# Altium PCB new - 副本.PcbDoc
Units mil, origin at the board's own origin, x right, y up, seen from the top; angles counter-clockwise.
Board outline 5529.7 x 2299.1 mil, 2 copper layers (Top Layer, Bottom Layer); 128 components, 106 nets, 434 pads, 26 vias.
Unrouted connection lines stored in the file: 199.
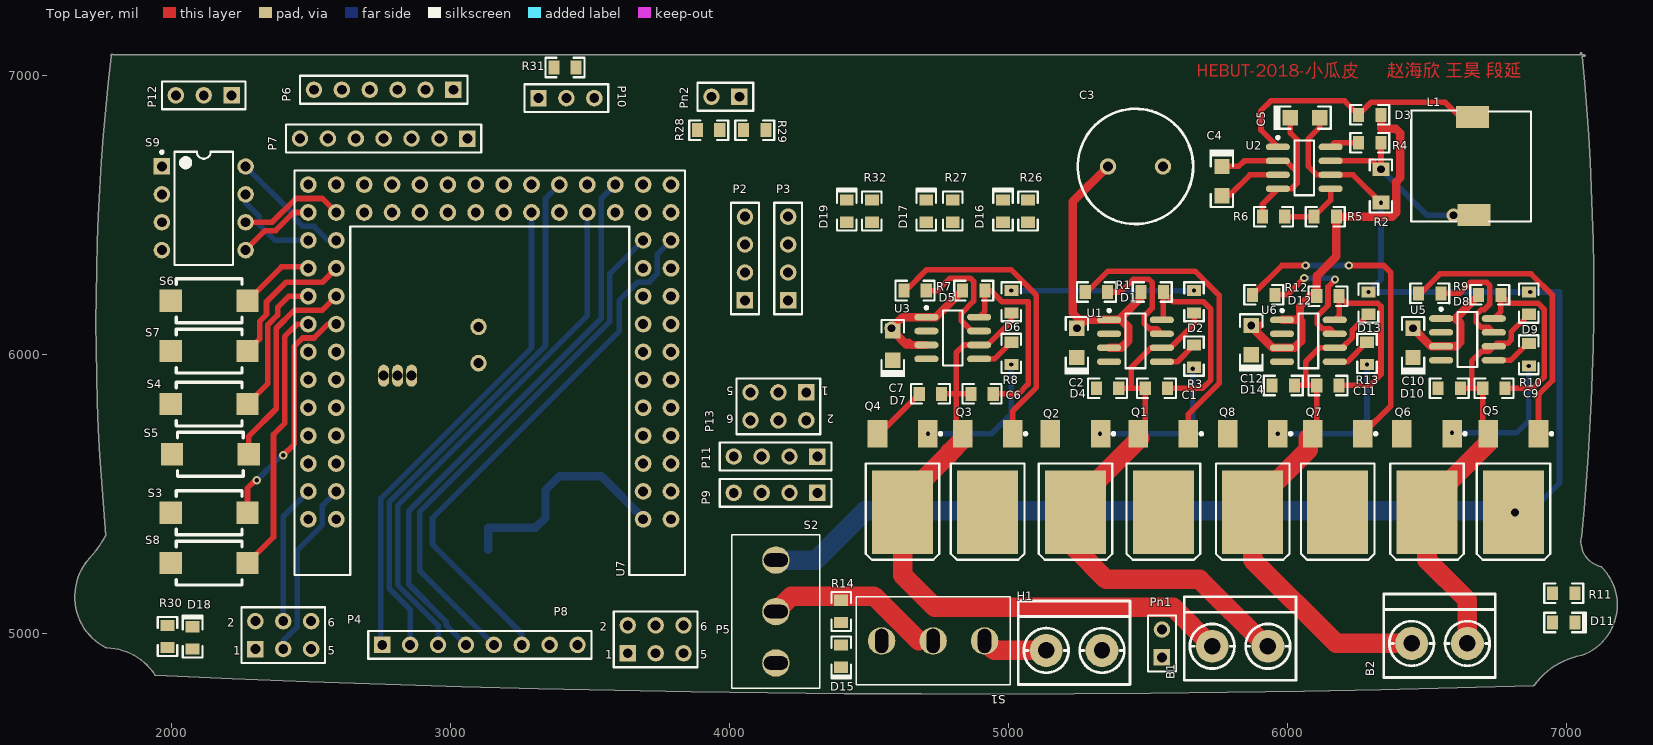
[diagram p0: Top Layer view]
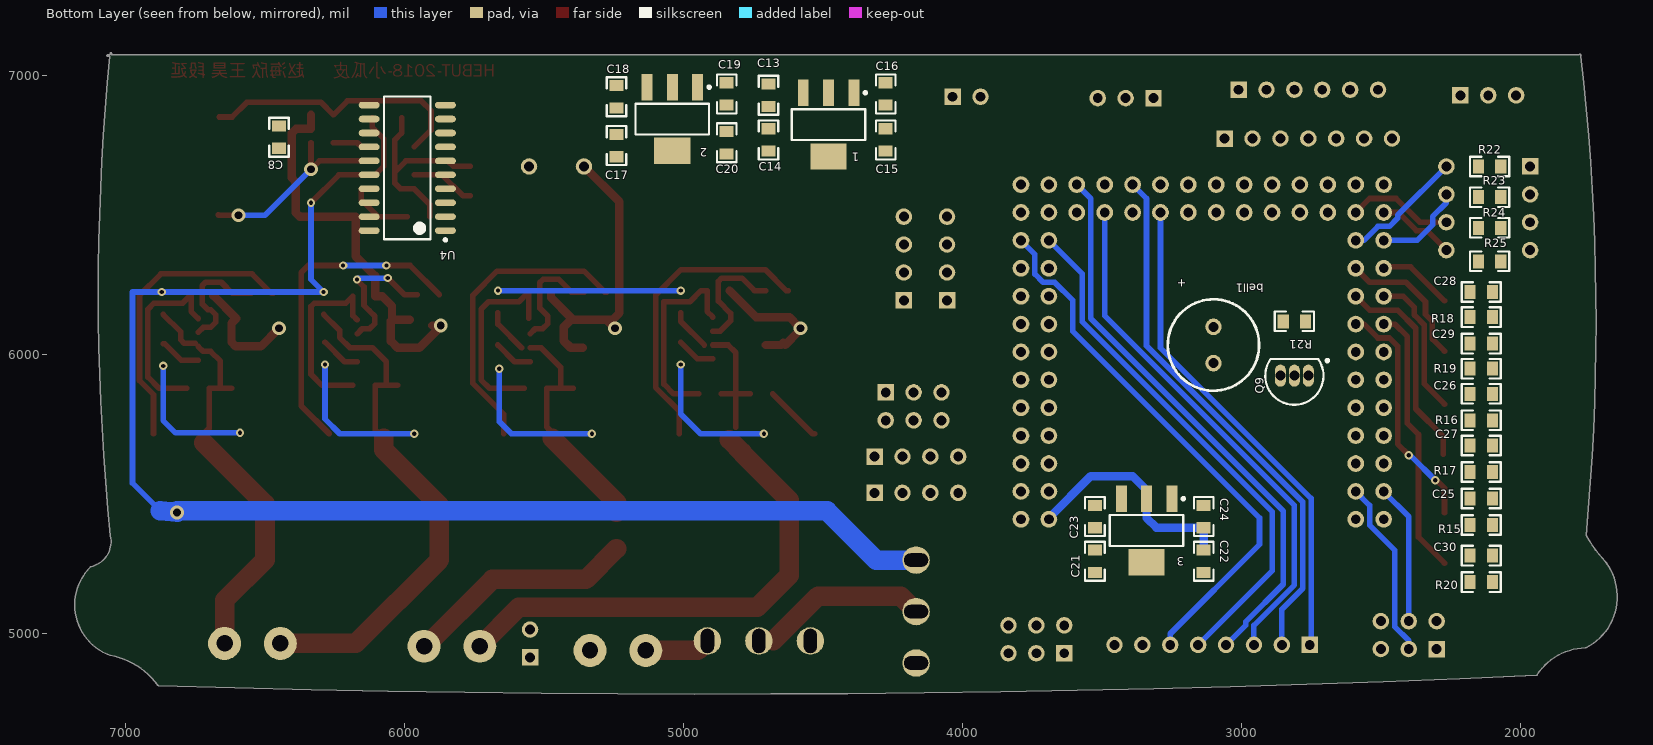
[diagram p1: Bottom Layer view, seen from below]

## Layer stack, top to bottom
Top Layer: signal copper 1.4
Dielectric: dielectric 12.6, FR-4, Dk 4.8
Bottom Layer: signal copper 1.4

## Board outline
1766.46,4948.82 cw(c1763.61,4739.71) 1766.48,4948.82 cw(c1766.49,4951.34) 1765.36,4949.09 cw(c1857.94,5132.66) 1701.98,5266.61 cw(c1703.89,5264.97) 1702.05,5266.69 ccw(c1354.87,5583.62) 1763.92,5351.97 cw(c10055.25,6117.88) 1783.27,7070.29 cw(c1785,7072.11) 1783.73,7074.28 cw(c10055.25,6117.88) 1783.83,7075.14 cw(c1786.32,7074.85) 1788.84,7074.85 cw(c1786.32,7074.85) 1788.83,7074.62 7050.6,7074.62 ccw(c-1623.14,6220.55) 7050.08,7079.96 cw(c7052.58,7080.21) 7055.08,7080.46 cw(c-1623.14,6220.55) 7055.66,7074.62 7064.01,7074.62 cw(c7064.01,7072.11) 7066.52,7072.11 cw(c7064.01,7072.11) 7064.01,7069.6 7056.15,7069.6 cw(c-1623.14,6220.55) 7097.58,6220.55 cw(c-1623.14,6220.55) 7054.14,5351.17 cw(c7051.63,5351.42) 7054.08,5350.85 ccw(c7144.82,5330.7) 7124.63,5239.97 ccw(c7144.82,5330.7) 7124.65,5239.97 7124.63,5239.97 cw(c7124.11,5237.51) 7125.89,5239.29 cw(c6989.57,5103.27) 7182.14,5103.27 cw(c6989.57,5103.27) 7055.42,4922.3 cw(c7054.56,4924.67) 7055.01,4922.19 ccw(c7103.51,4655.1) 6884.42,4815.39 ccw(c7103.51,4655.1) 6884.41,4815.37 6884.42,4815.39 cw(c6882.38,4816.86) 6882.46,4814.34 cw(c4888.74,69406.09) 1942.07,4850.8 cw(c1942.19,4853.31) 1940.05,4851.98 cw(c1763.61,4739.71) 1940.06,4851.96 1940.05,4851.98 ccw(c1763.61,4739.71)

## Design rules (kind name [scope] priority, off if disabled: settings)
Clearance [All] p1: gap=10
PolygonConnect [All] p1: connectstyle=Relief reliefconductorwidth=10 reliefentries=4 polygonreliefangle="90 Angle" airgapwidth=10
RoutingVias [All] p1: holewidth=15 width=30 viastyle="Through Hole" minholewidth=15 minwidth=30 maxholewidth=15 maxwidth=30
SolderMaskExpansion [All] p1: expansion=4
Width [All] p1: maxlimit=20 minlimit=20 preferedwidth=20
28 further rules are at their usual default settings.

## Classes and differential pairs
component class "mos motor": B1 B2 C1 C2 C3 C4 C5 C6 C7 C8 C9 C10 C11 C12 D1 D2 D3 D4 D5 D6 D7 D8 D9 D10 D11 D12 D13 D14 L1 Q1 Q2 Q3 Q4 Q5 Q6 Q7 Q8 R1 R2 R3 R4 R5 R6 R7 R8 R9 R10 R11 R12 R13 U1 U2 U3 U4 U5 U6
component class 新主控板: 1 2 3 bell1 C13 C14 C15 C16 C17 C18 C19 C20 C21 C22 C23 C24 C25 C26 C27 C28 C29 C30 D15 D16 D17 D18 D19 H1 P2 P3 P4 P5 P6 P7 P8 P9 P10 P11 P12 P13 Pn1 Pn2 Q9 R14 R15 R16 R17 R18 R19 R20 R21 R22 R23 R24 R25 R26 R27 R28 R29 R30 R31 R32 S1 S2 S3 S4 S5 S6 S7 S8 S9 U7

## Components (designator, comment, footprint, x,y, rotation, side; value= is the part's Value field where it differs from the comment)
1 "LT1117-3.3" 1117 4480,6825 r270 bottom
2 "LT1117-5.0" 1117 5040,6845 r270 bottom
3 "LT1117-5" 1117 3340,5370 r270 bottom
B1 "Motor" KF301-2P 5830,4955 r90 top
B2 "Motor" KF301-2P 6545,4965 r90 top
bell1 "Bell" 470uF 3100,6140 r270 bottom
C1 "Cap" 0805(2012) 5530,5880 r180 top
C2 "Cap Pol1" SOD-323(0805) 5245,6040 r270 top
C3 "Cap Pol1" RB5-10.5 5455,6675 r0 top
C4 "Cap Pol1" SOD-323(0805) 5765,6625 r90 top
C5 "Cap Pol1" SOD-323(0805) 6060,6850 r180 top
C6 "Cap" 0805(2012) 4905,5860 r180 top
C7 "Cap Pol1" SOD-323(0805) 4585,6030 r270 top
C8 "Cap" 0805(2012) 6450,6780 r270 bottom
C9 "Cap" 0805(2012) 6740,5880 r180 top
C10 "Cap Pol1" SOD-323(0805) 6450,6040 r270 top
C11 "Cap" 0805(2012) 6145,5890 r180 top
C12 "Cap Pol1" SOD-323(0805) 5870,6050 r270 top
C13 "Cap Pol1" 0805(2012) 4695,6930 r270 bottom
C14 "Cap Pol1" 0805(2012) 4695,6770 r90 bottom
C15 "Cap" 0805(2012) 4275,6770 r270 bottom
C16 "Cap" 0805(2012) 4275,6935 r90 bottom
C17 "Cap" 0805(2012) 5240,6750 r90 bottom
C18 "Cap" 0805(2012) 5240,6925 r270 bottom
C19 "Cap" 0805(2012) 4845,6935 r270 bottom
C20 "Cap" 0805(2012) 4845,6760 r90 bottom
C21 "Cap Pol1" 0805(2012) 3525,5260 r270 bottom
C22 "Cap Pol1" 0805(2012) 3135,5260 r270 bottom
C23 "Cap" 0805(2012) 3525,5420 r270 bottom
C24 "Cap" 0805(2012) 3135,5420 r270 bottom
C25 "Cap" 0805(2012) 2140,5485 r0 bottom
C26 "Cap" 0805(2012) 2140,5860 r0 bottom
C27 "Cap" 0805(2012) 2140,5675 r0 bottom
C28 "Cap" 0805(2012) 2140,6225 r0 bottom
C29 "Cap" 0805(2012) 2140,6040 r0 bottom
C30 "Cap" 0805(2012) 2140,5280 r0 bottom
D1 "1N5819" 0805(2012) 5515,6225 r180 top
D2 "1N5819" 0805(2012) 5665,6190 r270 top
D3 "1N5819" 0805(2012) 6295,6860 r180 top
D4 "1N5819" 0805(2012) 5355,5880 r180 top
D5 "1N5819" 0805(2012) 4875,6230 r180 top
D6 "1N5819" 0805(2012) 5010,6190 r270 top
D7 "1N5819" 0805(2012) 4720,5860 r180 top
D8 "1N5819" 0805(2012) 6725,6215 r180 top
D9 "1N5819" 0805(2012) 6865,6185 r270 top
D10 "1N5819" 0805(2012) 6580,5880 r180 top
D11 "RED" 0805LED 6990,5040 r0 top
D12 "1N5819" 0805(2012) 6145,6210 r180 top
D13 "1N5819" 0805(2012) 6290,6185 r270 top
D14 "1N5819" 0805(2012) 5985,5890 r180 top
D15 "RED" 0805LED 4400,4920 r270 top
D16 "LED0" 0805LED 4980,6515 r90 top
D17 "LED0" 0805LED 4705,6515 r90 top
D18 "LED0" 0805LED 2075,4985 r90 top
D19 "LED0" 0805LED 4420,6515 r90 top
H1 "H1" KF301-2P 5235,4940 r90 top
L1 "Inductor" 电感10*12 6660,6675 r90 top
P2 "blueteeth" HDR1X4 4055,6195 r90 top
P3 "blueteeth" HDR1X4 4210,6195 r90 top
P4 "encode_2" HDR2X3 2300,4945 r0 top
P5 "encode_1" HDR2X3 3635,4930 r0 top
P6 "Header 6" HDR1X6 3010,6950 r180 top
P7 "遥控" HDR1X7 3060,6775 r180 top
P8 "Header 8" HDR1X8 2755,4960 r0 top
P9 "Header 4" HDR1X4 4315,5505 r180 top
P10 "Header 3" HDR1X3 3315,6920 r0 top
P11 "Header 4" HDR1X4 4315,5635 r180 top
P12 "Header 3" HDR1X3 2215,6930 r180 top
P13 "Header 3X2" HDR2X3 4275,5865 r180 top
Pn1 "Header 2" HDR1X2 5550,4915 r90 top
Pn2 "Header 2" HDR1X2 4035,6925 r180 top
Q1 "IR7843" LR7843 5555,5575 r90 top
Q2 "IR7843" LR7843 5240,5575 r90 top
Q3 "IR7843" LR7843 4925,5575 r90 top
Q4 "IR7843" LR7843 4620,5575 r90 top
Q5 "IR7843" LR7843 6810,5575 r90 top
Q6 "IR7843" LR7843 6500,5575 r90 top
Q7 "IR7843" LR7843 6180,5575 r90 top
Q8 "IR7843" LR7843 5875,5575 r90 top
Q9 "NPN9013" TO-226-AE 2810,5925 r90 bottom
R1 "Res2" 0805(2012) 5315,6225 r180 top
R2 "Res2" 1206(3216) 6335,6605 r270 top
R3 "Res2" 0805(2012) 5665,5995 r270 top
R4 "Res2" 0805(2012) 6295,6760 r0 top
R5 "Res2" 0805(2012) 6135,6495 r180 top
R6 "Res2" 0805(2012) 5950,6495 r0 top
R7 "Res2" 0805(2012) 4665,6230 r180 top
R8 "Res2" 0805(2012) 5010,6005 r270 top
R9 "Res2" 0805(2012) 6510,6220 r180 top
R10 "Res2" 0805(2012) 6865,6000 r270 top
R11 "Res2" 0805(2012) 6990,5145 r180 top
R12 "Res2" 0805(2012) 5915,6215 r180 top
R13 "Res2" 0805(2012) 6285,6005 r270 top
R14 "Res2" 0805(2012) 4400,5080 r90 top
R15 "Res2" 0805(2012) 2140,5390 r180 bottom
R16 "Res2" 0805(2012) 2140,5765 r180 bottom
R17 "Res2" 0805(2012) 2140,5580 r180 bottom
R18 "Res2" 0805(2012) 2140,6135 r180 bottom
R19 "Res2" 0805(2012) 2140,5950 r180 bottom
R20 "Res2" 0805(2012) 2140,5185 r180 bottom
R21 "Res2" 0805(2012) 2810,6120 r0 bottom
R22 "Res2" 0805(2012) 2110,6675 r180 bottom
R23 "Res2" 0805(2012) 2110,6565 r180 bottom
R24 "Res2" 0805(2012) 2110,6455 r180 bottom
R25 "Res2" 0805(2012) 2110,6335 r180 bottom
R26 "Res2" 0805(2012) 5070,6515 r90 top
R27 "Res2" 0805(2012) 4800,6515 r90 top
R28 "Res2" 0805(2012) 3925,6805 r0 top
R29 "Res2" 0805(2012) 4090,6805 r0 top
R30 "Res2" 0805(2012) 1985,4990 r90 top
R31 "Res2" 0805(2012) 3410,7030 r0 top
R32 "Res2" 0805(2012) 4510,6515 r90 top
S1 "SW-SPST" SWICH_3 4730,4975 r90 top
S2 "SW-SPST" SWICH_3 4165,5080 r180 top
S3 "SW-PB" PCBComponent_1 2130,5445 r180 top
S4 "SW-PB" PCBComponent_1 2130,5835 r180 top
S5 "SW-PB" PCBComponent_1 2135,5655 r180 top
S6 "SW-PB" PCBComponent_1 2130,6205 r180 top
S7 "SW-PB" PCBComponent_1 2130,6025 r180 top
S8 "SW-PB" PCBComponent_1 2130,5265 r180 top
S9 "SW-DIP4" DIP-8 2115,6525 r0 top
U1 "IR2104  S" IR2104S 5455,6050 r0 top
U2 "MC34063" MC34063 6060,6670 r0 top
U3 "IR2104  S" IR2104S 4800,6060 r0 top
U4 "74ls244" 74ls244Da 5990,6670 r0 bottom
U5 "IR2104  S" IR2104S 6645,6055 r0 top
U6 "IR2104  S" IR2104S 6075,6050 r0 top
U7 "KEA128" KEA128_BOARD 3140,6010 r180 top

## Footprints (in the part's own frame and the unit in brackets; to place one, negate y for a bottom-side part, rotate by r counter-clockwise, add the part's x,y. Pads: shape width x height; smd on the part's side, far side on the other; paste and mask are expansions set on the pad)
74ls244Da [mm] "SOP, 20-Leads, Body 12.80x5.50mm, Pitch 1.27mm, IPC Medium Density"
  oval 1.9x0.6 smd: 1(-3.475,5.715) 2(-3.475,4.445) 3(-3.475,3.175) 4(-3.475,1.905) 5(-3.475,0.635) 6(-3.475,-0.635) 7(-3.475,-1.905) 8(-3.475,-3.175) 9(-3.475,-4.445) 10(-3.475,-5.715) 11(3.475,-5.715) 12(3.475,-4.445) 13(3.475,-3.175) 14(3.475,-1.905) 15(3.475,-0.635) 16(3.475,0.635) 17(3.475,1.905) 18(3.475,3.175) 19(3.475,4.445) 20(3.475,5.715)
  silkscreen extent -3.6,-6.5 2.13,6.69, body extent -2.8,-6.5 2.8,6.5, height 2.2
470uF [mm]
  round 1.5 hole 0.9: 1(1.016,0) 2(4.318,0)
  silkscreen extent -1.49,-4.16 6.83,4.16
0805(2012) [mil]
  rect 40x50 smd: 1(-40,0) 2(40,0)
  silkscreen extent -70,-35 70,35
0805LED [mil]
  rect 40x50 smd: 1(-40,0) 2(40,0)
  silkscreen extent -70,-35 80,35
1117 [mm] "SOT223, 4-Leads, Body 6.50x7.00mm (avg), Pitch 2.30mm, IPC Medium Density"
  rect 2.4x1 smd: 1(-2.9,2.3) 2(-2.9,0) 3(-2.9,-2.3)
  rect 2.4x3.3 smd: 4(2.9,0)
  silkscreen extent -3.02,-3.35 1.4,3.47, body extent -1.86,-3.35 1.86,3.35, height 1.8
1206(3216) [mil]
  rect 50x60 smd: 1(-60,0) 2(60,0)
  silkscreen extent -95,-40 95,40
DIP-8 [mm] "DIP; 8 Leads; Row Spacing 7.62 mm; Pitch 2.54 mm"
  rect 1.5x1.5 hole 0.9: 1(-3.81,3.81)
  round 1.5 hole 0.9: 2(-3.81,1.27) 3(-3.81,-1.27) 4(-3.81,-3.81) 5(3.81,-3.81) 6(3.81,-1.27) 7(3.81,1.27) 8(3.81,3.81)
  silkscreen extent -3.93,-5.15 2.65,5.23, body extent -3.6,-5.15 3.6,5.15, height 5.08
HDR1X2 [mm] "Connector; Header; 2 Position"
  rect 1.5x1.5 hole 0.9: 1(0,0)
  round 1.5 hole 0.9: 2(2.54,0)
  silkscreen extent -1.27,-1.27 3.81,1.27
HDR1X3 [mm] "Connector; Header; 3 Position"
  rect 1.5x1.5 hole 0.9: 1(0,0)
  round 1.5 hole 0.9: 2(2.54,0) 3(5.08,0)
  silkscreen extent -1.27,-1.27 6.35,1.27
HDR1X4 [mm] "Connector; Header; 4 Position"
  rect 1.5x1.5 hole 0.9: 1(0,0)
  round 1.5 hole 0.9: 2(2.54,0) 3(5.08,0) 4(7.62,0)
  silkscreen extent -1.27,-1.27 8.89,1.27
HDR1X6 [mm] "Connector; Header; 6 Position"
  rect 1.5x1.5 hole 0.9: 1(0,0)
  round 1.5 hole 0.9: 2(2.54,0) 3(5.08,0) 4(7.62,0) 5(10.16,0) 6(12.7,0)
  silkscreen extent -1.27,-1.27 13.97,1.27
HDR1X7 [mm] "Connector; Header; 7 Position"
  rect 1.5x1.5 hole 0.9: 1(0,0)
  round 1.5 hole 0.9: 2(2.54,0) 3(5.08,0) 4(7.62,0) 5(10.16,0) 6(12.7,0) 7(15.24,0)
  silkscreen extent -1.27,-1.27 16.51,1.27
HDR1X8 [mm] "Connector; Header; 8 Position"
  rect 1.5x1.5 hole 0.9: 1(0,0)
  round 1.5 hole 0.9: 2(2.54,0) 3(5.08,0) 4(7.62,0) 5(10.16,0) 6(12.7,0) 7(15.24,0) 8(17.78,0)
  silkscreen extent -1.27,-1.27 19.05,1.27
HDR2X3 [mm] "Connector; Header; 3x2 Position"
  rect 1.5x1.5 hole 0.9: 1(0,0)
  round 1.5 hole 0.9: 2(0,2.54) 3(2.54,0) 4(2.54,2.54) 5(5.08,0) 6(5.08,2.54)
  silkscreen extent -1.27,-1.27 6.35,3.81
IR2104S [mm] "SOIC, 8-Leads, Body 4.90x3.90mm, Pitch 1.27mm, IPC Medium Density"
  oval 2.2x0.6 smd: 1(-2.4,1.905) 2(-2.4,0.635) 3(-2.4,-0.635) 4(-2.4,-1.905) 5(2.4,-1.905) 6(2.4,-0.635) 7(2.4,0.635) 8(2.4,1.905)
  silkscreen extent -2.52,-2.5 0.9,2.88, body extent -2,-2.5 2,2.5, height 1.75
KEA128_BOARD [mil]
  round 60 hole 35: 1(-650,600) 2(-550,600) 3(-650,500) 4(-550,500) 5(-650,400) 6(-550,400) 7(-650,300) 8(-550,300) 9(-650,200) 10(-550,200) 11(-650,100) 12(-550,100) 13(-650,0) 14(-550,0) 15(-650,-100) 16(-550,-100) 17(-650,-200) 18(-550,-200) 19(-650,-300) 20(-550,-300) 21(-650,-400) 22(-550,-400) 23(-650,-500) 24(-550,-500) 25(-650,-600) 26(-550,-600) 27(-450,-500) 28(-450,-600) 29(-350,-500) 30(-350,-600) 31(-250,-500) 32(-250,-600) 33(-150,-500) 34(-150,-600) 35(-50,-500) 36(-50,-600) 37(50,-500) 38(50,-600) 39(150,-500) 40(150,-600) 41(250,-500) 42(250,-600) 43(350,-500) 44(350,-600) 45(450,-500) 46(450,-600) 47(550,-500) 48(550,-600) 49(650,-500) 50(650,-600) 51(550,-400) 52(650,-400) 53(550,-300) 54(650,-300) 55(550,-200) 56(650,-200) 57(550,-100) 58(650,-100) 59(550,0) 60(650,0) 61(550,100) 62(650,100) 63(550,200) 64(650,200) 65(550,300) 66(650,300) 67(550,400) 68(650,400) 69(550,500) 70(650,500) 71(550,600) 72(650,600)
  silkscreen extent -700,-650 700,800
KF301-2P [mm]
  round 3 hole 1.5: 1(0,-2.54) 2(0,2.54)
  silkscreen extent -3.1,-5.08 4.5,5.08
LR7843 [mm]
  rect 2.54x1.778 smd: 1(3.6,-2.28) 3(3.6,2.28)
  rect 7.6x5.55 smd: 2(-3.556,0)
  silkscreen extent -7.87,-3.58 3.72,3.35
MC34063 [mm] "SOIC, 8-Leads, Body 4.90x3.90mm, Pitch 1.27mm, IPC Medium Density"
  oval 2.2x0.6 smd: 1(-2.4,1.905) 2(-2.4,0.635) 3(-2.4,-0.635) 4(-2.4,-1.905) 5(2.4,-1.905) 6(2.4,-0.635) 7(2.4,0.635) 8(2.4,1.905)
  silkscreen extent -2.52,-2.5 0.9,2.88, body extent -2,-2.5 2,2.5, height 1.75
PCBComponent_1 [mil]
  rect 80x80 smd: 1(133.86,11.81) 2(-141.73,11.81)
  silkscreen extent -122,-67 114,91
RB5-10.5 [mm] "Capacitor (Radial); 2 Leads"
  round 1.5 hole 0.9: 1(-2.5,0) 2(2.5,0)
  silkscreen extent -5.25,-5.25 5.25,5.25
SOD-323(0805) [mil]
  rect 55x55 smd: 1(-55,0) 2(50,0)
  silkscreen extent -95,-44 110,44
SWICH_3 [mm]
  round 2.5 hole 1.2 slot 2.2 at 0 deg: 1(-0.025,-4.674) 2(-0.025,0.013) 3(-0.025,4.699)
  silkscreen extent -4,-7 4,7
TO-226-AE [mm] "TO, Flat Index; 3 In-Line, Axial Leads; Body Dia. 4.8mm; Leads 0.55 x 0.51 mm (max)"
  oval 2x1 hole 0.9: 1(0,-1.27) 2(0,0) 3(0,1.27)
  silkscreen extent -2.65,-3.13 1.52,2.65, body extent -2.66,-2.66 1.52,2.66, height 7.87
电感10*12 [mm]
  rect 2x3 smd: 1(-4.4,-0.2) 2(4.5,-0.1)
  silkscreen extent -5,-5.4 5.1,5.5

## Part data
2 3: library part LT1117-3.3
B1 B2: library part "Motor Servo", "Servo Motor"
bell1: "Electrical Bell"
C1 C6 C8 C9 C11 C15 C16 C17 C18 C19 C20 C23 C24 C25 C26 C27 C28 C29 C30: "Capacitor"
C2 C3 C4 C5 C7 C10 C12 C13 C14 C21 C22: "Polarized Capacitor (Radial)"
D1 D2 D3 D4 D5 D6 D7 D8 D9 D10 D12 D13 D14: library part 1N4148, "Silicon Epitaxial Planar Diode for Various Detector, Modulator, Demodulator"
D11 D15: library part LED2, "Typical RED, GREEN, YELLOW, AMBER GaAs LED"
D16 D17 D18 D19: "Typical INFRARED GaAs LED"
P4 P5: library part encode
P6: "Header, 6-Pin"
P7: library part MHDR1X7, "Header, 7-Pin"
P8: "Header, 8-Pin"
P9 P11: "Header, 4-Pin"
P10 P12: "Header, 3-Pin"
P13: "Header, 3-Pin, Dual row"
Pn1 Pn2: "Header, 2-Pin"
Q1 Q2 Q3 Q4 Q5 Q6 Q7 Q8: "N-Channel Power MOSFET"
Q9: library part 2N3904, "NPN General Purpose Amplifier"
R1 R2 R3 R4 R5 R6 R7 R8 R9 R10 R11 R12 R13 R14 R15 R16 R17 R18 R19 R20 R21 R22 R23 R24 R25 R26 R27 R28 R29 R30 R31 R32: "Resistor"
S1 S2: "Single-Pole, Single-Throw Switch"
S3 S4 S5 S6 S7 S8: "Switch"
S9: "DIP Switch"
U2: library part Component_1

## Via types
v1: diameter 30, hole 15, Top Layer to Bottom Layer, 19 vias
v2: diameter 50, hole 28, Top Layer to Bottom Layer, 7 vias

## Nets (pads, with @x,y where several pads share a name; then routed paths per layer and width w, separated by ;. In a path a pad name is that pad's centre, name@x,y a point inside that pad or via, vN(x,y) a via of type N, cw(c..) or ccw(c..) an arc to the next point about the centre after c; other vN are vias at no path point)
3V3: 1.2 bell1.1 C14.1 C16.2 P6.2 P7.2 P10.1 P13.1 P13.2 R15.2 R16.2 R17.2 R18.2 R19.2 R20.2 R22.2 R23.2 R24.2 R25.2 R26.2 R27.2 R30.2 R31.1 R32.2
5V: 2.2 C8.2 C19.2 C20.2 P2.1 P3.1 P4.2 P5.2 P8.8 P9.1 P11.1 P13.3 P13.4 U4.20
5VIC: 3.2 C22.1 C24.2 R28.1 U7.2 | length 832.3
  Bottom Layer w30: C22.1 C24.2 3305,5380 3340,5415 3.2 3340,5515 3390,5565 3540,5565 U7.2@3690,5415
12V: C2.1 C3.1 C7.1 C10.1 C12.1 D1.2 D3.1 D5.2 D8.2 D12.2 R5.1 U1.1 U1.3 U3.1 U3.3 U5.1 U5.3 U6.1 U6.3 | length 3439.1
  Top Layer w30: C7.1 4635,6035 4642.5,6042.5 4650,6035 U3.3 ; C7.1@4585,6100 4620,6135 U3.1 4740,6135 D5.2 ; v2(5245,6095) 5275,6125 ; C3.1 5230,6548.43 5230,6150 5255,6125 5275,6125 ; U1.3 5404,6025 5429,6050 5429,6100 5404,6125 ; D1.2 5475,6205 5404,6134 5404,6125 ; C12.1@5870,6101.96 5946.96,6025 U6.3 6025,6025 6048.82,6048.82 6048.82,6121.18 6045,6125 ; v2(5870,6105) 5900,6105 ; U6.1 6045,6125 ; D3.1 6335,6810 6389,6810 6404,6795 6404,6634 6390,6620 6390,6509.64 6375.36,6495 R5.1 6175,6353 6105,6283 D12.2 6080,6210 6045,6175 6045,6125 ; v2(6450,6095) 6515,6030 U5.3 6605,6030 6620,6045 6620,6113 6603,6130 6685,6212 D8.2 ; 5275,6125 U1.1 5404,6125
  Bottom Layer w30: v2(4580,6095) v2@4585,6090
GND: 1.1 2.1 3.1 C2.2 C3.2 C4.2 C5.2 C7.2 C8.1 C10.2 C12.2 C13.2 C14.2 C15.1 C16.1 C17.1 C18.1 C19.1 C20.1 C21.2 C22.2 C23.1 C24.1 C25.1 C26.1 C27.1 C28.1 C29.1 C30.1 D4.2 D7.2 D10.2 D11.2 D14.2 D15.2 H1.1 P2.2 P3.2 P4.1 P5.1 P6.1 P7.1 P8.7 P9.2 P10.2 P11.2 P12.3 P13.5 P13.6 Pn1.2 Q2.3 Q4.3 Q6.3 Q8.3 Q9.1 R6.1 R29.2 S3.1 S4.1 S5.1 S6.1 S7.1 S8.1 S9.1 S9.2 S9.3 S9.4 U1.4 U2.2 U2.4 U3.4 U4.1 U4.3 U4.5 U4.7 U4.9 U4.10 U4.11 U4.13 U4.15 U4.17 U4.19 U5.4 U6.4 U7.1 U7.72 | length 950.1
  Top Layer w20: Q4.3 4536.73,5716.73 D7.2 ; C4.2 5825,6675 5845,6695 U2.2 5995,6695 6035,6655 ; R6.1 5910,6539.49 U2.4 6015,6595 6035,6615 6035,6655 ; C5.2 6010,6795 6035,6770 6035,6655
"MOTOR1 IN1": U4.18 U5.2
"MOTOR1 IN2": U4.16 U6.2
"MOTOR1 IN3": U3.2 U4.14
"MOTOR1 IN4": U1.2 U4.12
NetB1_1: B1.1 C1.2 D2.2 D4.1 Q1.3 Q2.2 U1.6 | length 1839.5
  Top Layer w20: D4.1 5435,5880 ; Q1.3 5490,5741.5 C1.2 5435,5880 ; U1.6 5510,6025 5440,5955 5440,5885 5435,5880 ; U1.6@5580,6025 5665,6110 D2.2
  Top Layer w70: Q2.2@5240,5305 5350,5195 5685,5195 5925,4955 B1.1 ; Q2.2 5240,5470 Q1.3@5470,5700
NetB1_2: B1.2 C6.2 D6.2 D7.1 Q3.3 Q4.2 U3.6 | length 2406.6
  Top Layer w20: D7.1 4812.5,5860 ; Q3.3@4812.5,5739.47 4812.5,5860 ; C6.2 4812.5,5860 ; U3.6 4840,6035 4812.5,6007.5 4812.5,5860 ; U3.6@4925,6035 5010,6120 D6.2
  Top Layer w70: Q3.3@4835.24,5695.24 4789.76,5649.76 4789.76,5648.09 4620,5478.33 Q4.2 4620,5210 4735,5095 5590,5095 B1.2
NetB2_1: B2.1 C9.2 D9.2 D10.1 Q5.3 Q6.2 U5.6 | length 1495.7
  Top Layer w20: D10.1 6660,5880 ; Q5.3 6700,5736.97 C9.2 6660,5880 ; U5.6 6721.3,6011.81 6694.82,6011.81 6660,5977 6660,5880 ; U5.6@6750.72,6041.23 6790,6041.23 6802.8,6054.03 6802.8,6082.8 D9.2
  Top Layer w70: B2.1 6645,5120 6500,5265 Q6.2 6500,5465 Q5.3@6720.24,5685.24
NetB2_2: B2.2 C11.2 D13.2 D14.1 Q7.3 Q8.2 U6.6 | length 1868.6
  Top Layer w20: D14.1 6065,5890 ; Q7.3 6105,5731.5 C11.2 6065,5890 ; D13.2 6232.8,6087.8 6232.8,6061.82 6195.97,6025 U6.6 6115,6025 6065,5975 6065,5890
  Top Layer w70: Q7.3@6075,5701.5 6075,5660 5875,5460 Q8.2 5875,5265 6175,4965 B2.2
Netbell1_2: bell1.2 Q9.3
NetC1_1: C1.1 D1.1 U1.8 | length 710.8
  Top Layer w20: U1.8@5555,6130.51 D1.1 5590,6190 5698.28,6190 5725,6163.28 5725,5910 5695,5880 C1.1
NetC4_1: C4.1 U2.3 | length 231.6
  Top Layer w20: C4.1 5790,6570 5865,6645 U2.3
NetC6_1: C6.1 D5.1 U3.8 | length 709.6
  Top Layer w20: U3.8 4915,6155.51 D5.1 4936.72,6230 4976.72,6190 5070,6190 5070,5895 5035,5860 C6.1
NetC9_1: C9.1 D8.1 U5.8 | length 671.8
  Top Layer w20: U5.8 6765,6155.51 D8.1 6795,6185 6898.28,6185 6920,6163.28 6920,5920 6880,5880 C9.1
NetC11_1: C11.1 D12.1 U6.8 | length 666.5
  Top Layer w20: U6.8 6185,6140.51 D12.1 6210,6185 6323.28,6185 6335,6173.28 6335,5930 6295,5890 C11.1
NetD3_2: D3.2 L1.2 U2.1 | length 989.7
  Top Layer w20: U2.1 5905,6805.51 5905,6875 5940,6910 6205,6910 D3.2 6300,6905 6565,6905 6617.83,6852.17 L1.2
NetD11_1: D11.1 R11.2
NetD15_1: D15.1 R14.1
NetD16_1: D16.1 R26.1
NetD17_1: D17.1 R27.1
NetD18_1: D18.1 R30.1
NetD19_1: D19.1 R32.1
NetH1_2: H1.2 S1.1 | length 235.1
  Top Layer w70: S1.1 4948,4940 H1.2
NetL1_1: L1.1 R2.1 R4.2 U2.7 | length 689.9
  Top Layer w20: U2.7 6305,6695 v2(6335,6665) R4.2 ; v2(6595,6500) 6666.1,6500 L1.1
  Bottom Layer w20: v2(6335,6665) 6500,6500 v2(6595,6500)
NetQ1_1: Q1.1 R1.2 | length 1089.2
  Top Layer w20: R1.2 5281.72,6225 5356.72,6300 5668.28,6300 5755,6213.28 5755,5897.57 5644.76,5787.34 Q1.1
NetQ2_1: Q2.1 R3.2 | length 541.2
  Top Layer w20: v1(5328.27,5716.73) Q2.1
  Bottom Layer w20: v1(5328.27,5716.73) 5616.73,5716.73 5660,5760 v1(5660,5950)
NetQ3_1: Q3.1 R7.2 | length 1075.9
  Top Layer w20: R7.2 4631.72,6230 4706.72,6305 5008.28,6305 5100,6213.28 5100,5882.57 5014.76,5797.34 Q3.1
NetQ4_1: Q4.1 R8.2 | length 506.5
  Top Layer w20: Q4.1 v1(4711.73,5716.73)
  Bottom Layer w20: v1(4711.73,5716.73) 4938.27,5716.73 5010,5788.46 v1(5010,5965)
NetQ5_1: Q5.1 R9.2 | length 1058.1
  Top Layer w20: R9.2 6476.72,6220 6546.72,6290 6873.28,6290 6950,6213.28 6950,5907.57 6899.76,5857.34 Q5.1
NetQ6_1: Q6.1 R10.2 | length 492.3
  Top Layer w20: Q6.1 v1(6589.76,5720.24)
  Bottom Layer w20: v1(6589.76,5720.24) 6820.24,5720.24 6865,5765 v1(6865,5960)
NetQ7_1: Q7.1 R12.2 | length 1168.6
  Top Layer w20: R12.2 5980,6320 v1(6065,6320) ; v1(6220,6320) 6345,6320 6370,6295 6370,5816.97 Q7.1
  Bottom Layer w20: v1(6065,6320) v1(6220,6320)
NetQ8_1: Q8.1 R13.2 | length 537.3
  Top Layer w20: Q8.1 v1(5965,5716.97)
  Bottom Layer w20: v1(5965,5716.97) 6231.97,5716.97 6285,5770 v1(6285,5965)
NetQ9_2: Q9.2 R21.2
NetR1_1: R1.1 U1.7 | length 420.5
  Top Layer w20: R1.1 5401.72,6225 5446.72,6270 5503.28,6270 5515,6258.28 5515,6167 5486.18,6138.18 5486.18,6111.82 5504.82,6093.19 5531.3,6093.19 U1.7
NetR3_1: R3.1 U1.5 | length 140.4
  Top Layer w20: U1.5 5605,5975 R3.1
NetR4_1: R4.1 U2.8 | length 106.7
  Top Layer w20: U2.8 6169.49,6760 R4.1
NetR5_2: R5.2 R6.2 U2.5 | length 229.6
  Top Layer w20: R6.2 R5.2 6154.49,6554.49 U2.5
NetR7_1: R7.1 U3.7 | length 431.7
  Top Layer w20: R7.1 4745.25,6230 4790.25,6275 4863.28,6275 4875,6263.28 4875,6192 4831.18,6148.18 4831.18,6121.82 4868,6085 U3.7
NetR8_1: R8.1 U3.5 | length 140.4
  Top Layer w20: U3.5 4950,5985 R8.1
NetR9_1: R9.1 U5.7 | length 432.7
  Top Layer w20: R9.1 6616.72,6220 6656.72,6260 6713.28,6260 6725,6248.28 6725,6181.72 6705.1,6161.81 6694.82,6161.81 6676.18,6143.18 6676.18,6116.82 6694.82,6098.19 6721.3,6098.19 U5.7
NetR10_1: R10.1 U5.5 | length 150.4
  Top Layer w20: U5.5 6800,5980 6860,6040 R10.1
NetR12_1: R12.1 U6.7 | length 505.3
  Top Layer w20: R12.1 6000,6215 v1(6060,6275) ; U6.7 6151.3,6093.19 6124.82,6093.19 6106.18,6111.82 6106.18,6138.18 6124.82,6156.81 6125.1,6156.81 6145,6176.72 6145,6243.28 6170,6268.28 v1(6170,6270)
  Bottom Layer w20: v1(6060,6275) 6165,6275 v1(6170,6270)
NetR13_1: R13.1 U6.5 | length 144.5
  Top Layer w20: U6.5 6215,5975 R13.1
PTA0: C25.2 R15.1 S3.2 U7.57 | length 855.9
  Top Layer w20: S3.2 2271.73,5521.73 2300,5550 v1(2305,5550) ; v1(2400,5640) 2440,5680 2440,6030.71 2469.29,6060 2510.71,6060 2560.71,6110 U7.57
  Bottom Layer w20: v1(2305,5550) 2390,5635 2395,5635 v1(2400,5640)
PTA1: C26.2 R16.1 S4.2 U7.56 | length 518.2
  Top Layer w20: S4.2 2345,5896.46 2345,6107.43 2380,6142.43 2380,6170 2420,6210 U7.56
PTA2: C27.2 R17.1 S5.2 U7.55 | length 755.1
  Top Layer w20: S5.2 2276.73,5708.19 2375,5806.46 2375,6095 2440,6160 2540,6160 U7.55
PTA3: C28.2 R18.1 S6.2 U7.54 | length 270.8
  Top Layer w20: S6.2 2393.54,6315 2485,6315 U7.54
PTA6: Pn2.1 R28.2 R29.1 U7.43
PTA7: Pn2.2 U7.42
PTB0: P2.3 U7.39
PTB1: P2.4 U7.38
PTB2: P11.3 U7.37
PTB3: P11.4 U7.36
PTB5: U7.19
PTB6: U7.20
PTC0: P8.3 U7.29 | length 1891.7
  Bottom Layer w20: P8.3 2955,5030 2810,5175 2810,5460 3490,6140 U7.29
PTC1: P8.4 U7.28 | length 2041.4
  Bottom Layer w20: P8.4 2985,5030 2985,5042.43 2850,5177.43 2850,5440 3540,6130 3540,6560 U7.28
PTC2: P8.5 U7.22 | length 1891.1
  Bottom Layer w20: P8.5 2890,5225 2890,5437.57 3570,6117.57 3570,6290 U7.22
PTC3: P8.6 U7.21 | length 1961
  Bottom Layer w20: P8.6 3255,5000 2935,5320 2935,5415 3605,6085 3605,6195.71 3669.29,6260 3710.71,6260 3740,6289.29 3740,6360 U7.21
PTC5: P4.4 U7.70 | length 502.3
  Bottom Layer w20: P4.4 2400,5420 U7.70
PTC6: R21.1 U7.59
PTC7: C30.2 R20.1 S8.2 U7.58 | length 970.7
  Top Layer w20: S8.2 2365,5346.46 2365,5714.03 2405,5754.03 2405,6065 2450,6110 U7.58
PTD0: D18.2 U7.4
PTD1: D19.2 U7.3
PTD2: C29.2 R19.1 S7.2 U7.53 | length 504.8
  Top Layer w20: S7.2 2315,6056.46 2315,6119.85 2340,6144.85 2340,6190 2410,6260 2540,6260 U7.53
PTD3: R23.1 S9.7 U7.52 | length 328.5
  Bottom Layer w20: S9.7 2265,6545.04 2314.53,6495.52 2314.53,6465.47 2370,6410 U7.52
PTD4: R22.1 S9.8 U7.51 | length 441
  Bottom Layer w20: S9.8 2440,6500 2440,6489.29 2469.29,6460 2510.71,6460 2560.71,6410 U7.51
PTD5: P10.3 R31.2 U7.25
PTD6: U7.24
PTD7: U7.23
PTE0: P4.3 U7.69 | length 643.7
  Bottom Layer w20: P4.3 2400,4974.96 2449.53,5024.48 2449.53,5298.82 2540,5389.29 2540,5460 U7.69
PTE1: U7.68
PTE2: P7.5 U7.63
PTE3: P7.6 U7.62
PTE4: P7.7 U7.44
PTE5: P6.5 U7.18
PTE6: P6.6 U7.17
PTE7: P5.3 U7.8
PTF0: R25.1 S9.5 U7.49 | length 280.9
  Top Layer w20: S9.5 2335,6445 2372.43,6445 2437.43,6510 U7.49
PTF1: R24.1 S9.6 U7.47 | length 380.9
  Top Layer w20: S9.6 2360,6475 2445,6560 2540,6560 U7.47
PTF2: P7.3 U7.41
PTF3: P7.4 U7.40
PTF4: P12.1 U7.35
PTF5: P12.2 U7.34
PTF6: P8.1 U7.33 | length 1775.7
  Bottom Layer w20: P8.1 2750,4965 2750,5484.85 3290,6024.85 U7.33
PTF7: P8.2 U7.32 | length 1933.7
  Bottom Layer w20: P8.2 2855,5087.57 2780,5162.57 2780,5472.43 3340,6032.43 3340,6560 U7.32
PTG4: U4.2 U7.50
PTG5: U4.4 U7.48
PTG6: U4.6 U7.46
PTG7: U4.8 U7.45
PTH0: P6.3 U7.16
PTH1: P6.4 U7.15
PTH2: U7.9
PTH3: P9.4 U7.31
PTH4: P9.3 U7.30
PTH5: P5.4 U7.7
PTH6: D16.2 U7.6
PTH7: D17.2 U7.5
PTI0: P3.3 U7.14
PTI1: P3.4 U7.13
VBAT: C5.1 D2.1 D6.1 D9.1 D13.1 Q1.2 Q3.2 Q5.2 Q7.2 R2.2 R11.1 S2.1 U2.6 | length 5792.6
  Top Layer w20: C5.1 6115,6815 6075,6775 6075,6675 6105,6645 U2.6 6235,6645 v1(6335,6545)
  Bottom Layer w20: v1(5010,6230) v1(5665,6230) ; v1(6335,6545) 6335,6270 v1(6290,6225) v1(6870,6225) 6975,6225 6975,5540 6875,5440
  Bottom Layer w70: S2.1 4309,5264 4485,5440 v2@6815,5440 ; v2(6815,5435) 6875,5440
VCC: 1.3 2.3 3.3 C13.1 C15.2 C17.2 C18.2 C21.1 C23.2 Pn1.1 R14.2 S1.2 S2.2 | length 601.9
  Top Layer w70: S2.2 4221.5,5135 4517.24,5135 4678.24,4974
pads on no net: 1.4 2.4 3.4 P4.5 P4.6 P5.5 P5.6 S1.3 S2.3 U7.10 U7.11 U7.12 U7.26 U7.27 U7.60 U7.61 U7.64 U7.65 U7.66 U7.67 U7.71

## Other copper
Top Layer:
  text "HEBUT-2018-小瓜皮" at 5675,6980 h80
  text "赵海欣 王昊 段延" at 6355,6980 h80

## Silkscreen, mask and mechanical layers (free items; w line width, h text height)
Mechanical 1:
  lines w5: 1785,7072.11 7064.01,7072.11 ; 1786.32,7074.85 ccw(c10055.25,6117.88) 1766.49,5351.42 cw(c1354.87,5583.62) 1703.89,5264.97 ccw(c1857.94,5132.66) 1766.49,4951.34 cw(c1763.61,4739.71) 1942.19,4853.31 ccw(c4888.74,69406.09) 6882.38,4816.86 cw(c7103.51,4655.1) 7054.56,4924.67 ccw(c6989.57,5103.27) 7124.11,5237.51 cw(c7144.82,5330.7) 7051.63,5351.42 ccw(c-1623.14,6220.55) 7052.58,7080.21

## Text inside footprints (layer, text, board x,y; h text height)
bell1: Bottom Overlay "+" at 3226,6275 h30 r90
P4: Top Overlay "6" at 2560,5025 h30; Top Overlay "5" at 2560,4925 h30; Top Overlay "2" at 2200,5025 h30; Top Overlay "1" at 2220,4925 h30
P5: Top Overlay "6" at 3895,5010 h30; Top Overlay "5" at 3895,4910 h30; Top Overlay "2" at 3535,5010 h30; Top Overlay "1" at 3555,4910 h30
P13: Top Overlay "6" at 4015,5785 h30 r180; Top Overlay "5" at 4015,5885 h30 r180; Top Overlay "2" at 4375,5785 h30 r180; Top Overlay "1" at 4355,5885 h30 r180